# Altium PCB UKU205m2.PcbDoc (part 1 of 3)
Units mm, origin at the board's own origin, x right, y up, seen from the top; angles counter-clockwise.
Board outline 374.65 x 264.35 mm, 2 copper layers (Top Layer, Bottom Layer); 252 components, 433 nets, 925 pads, 929 vias.
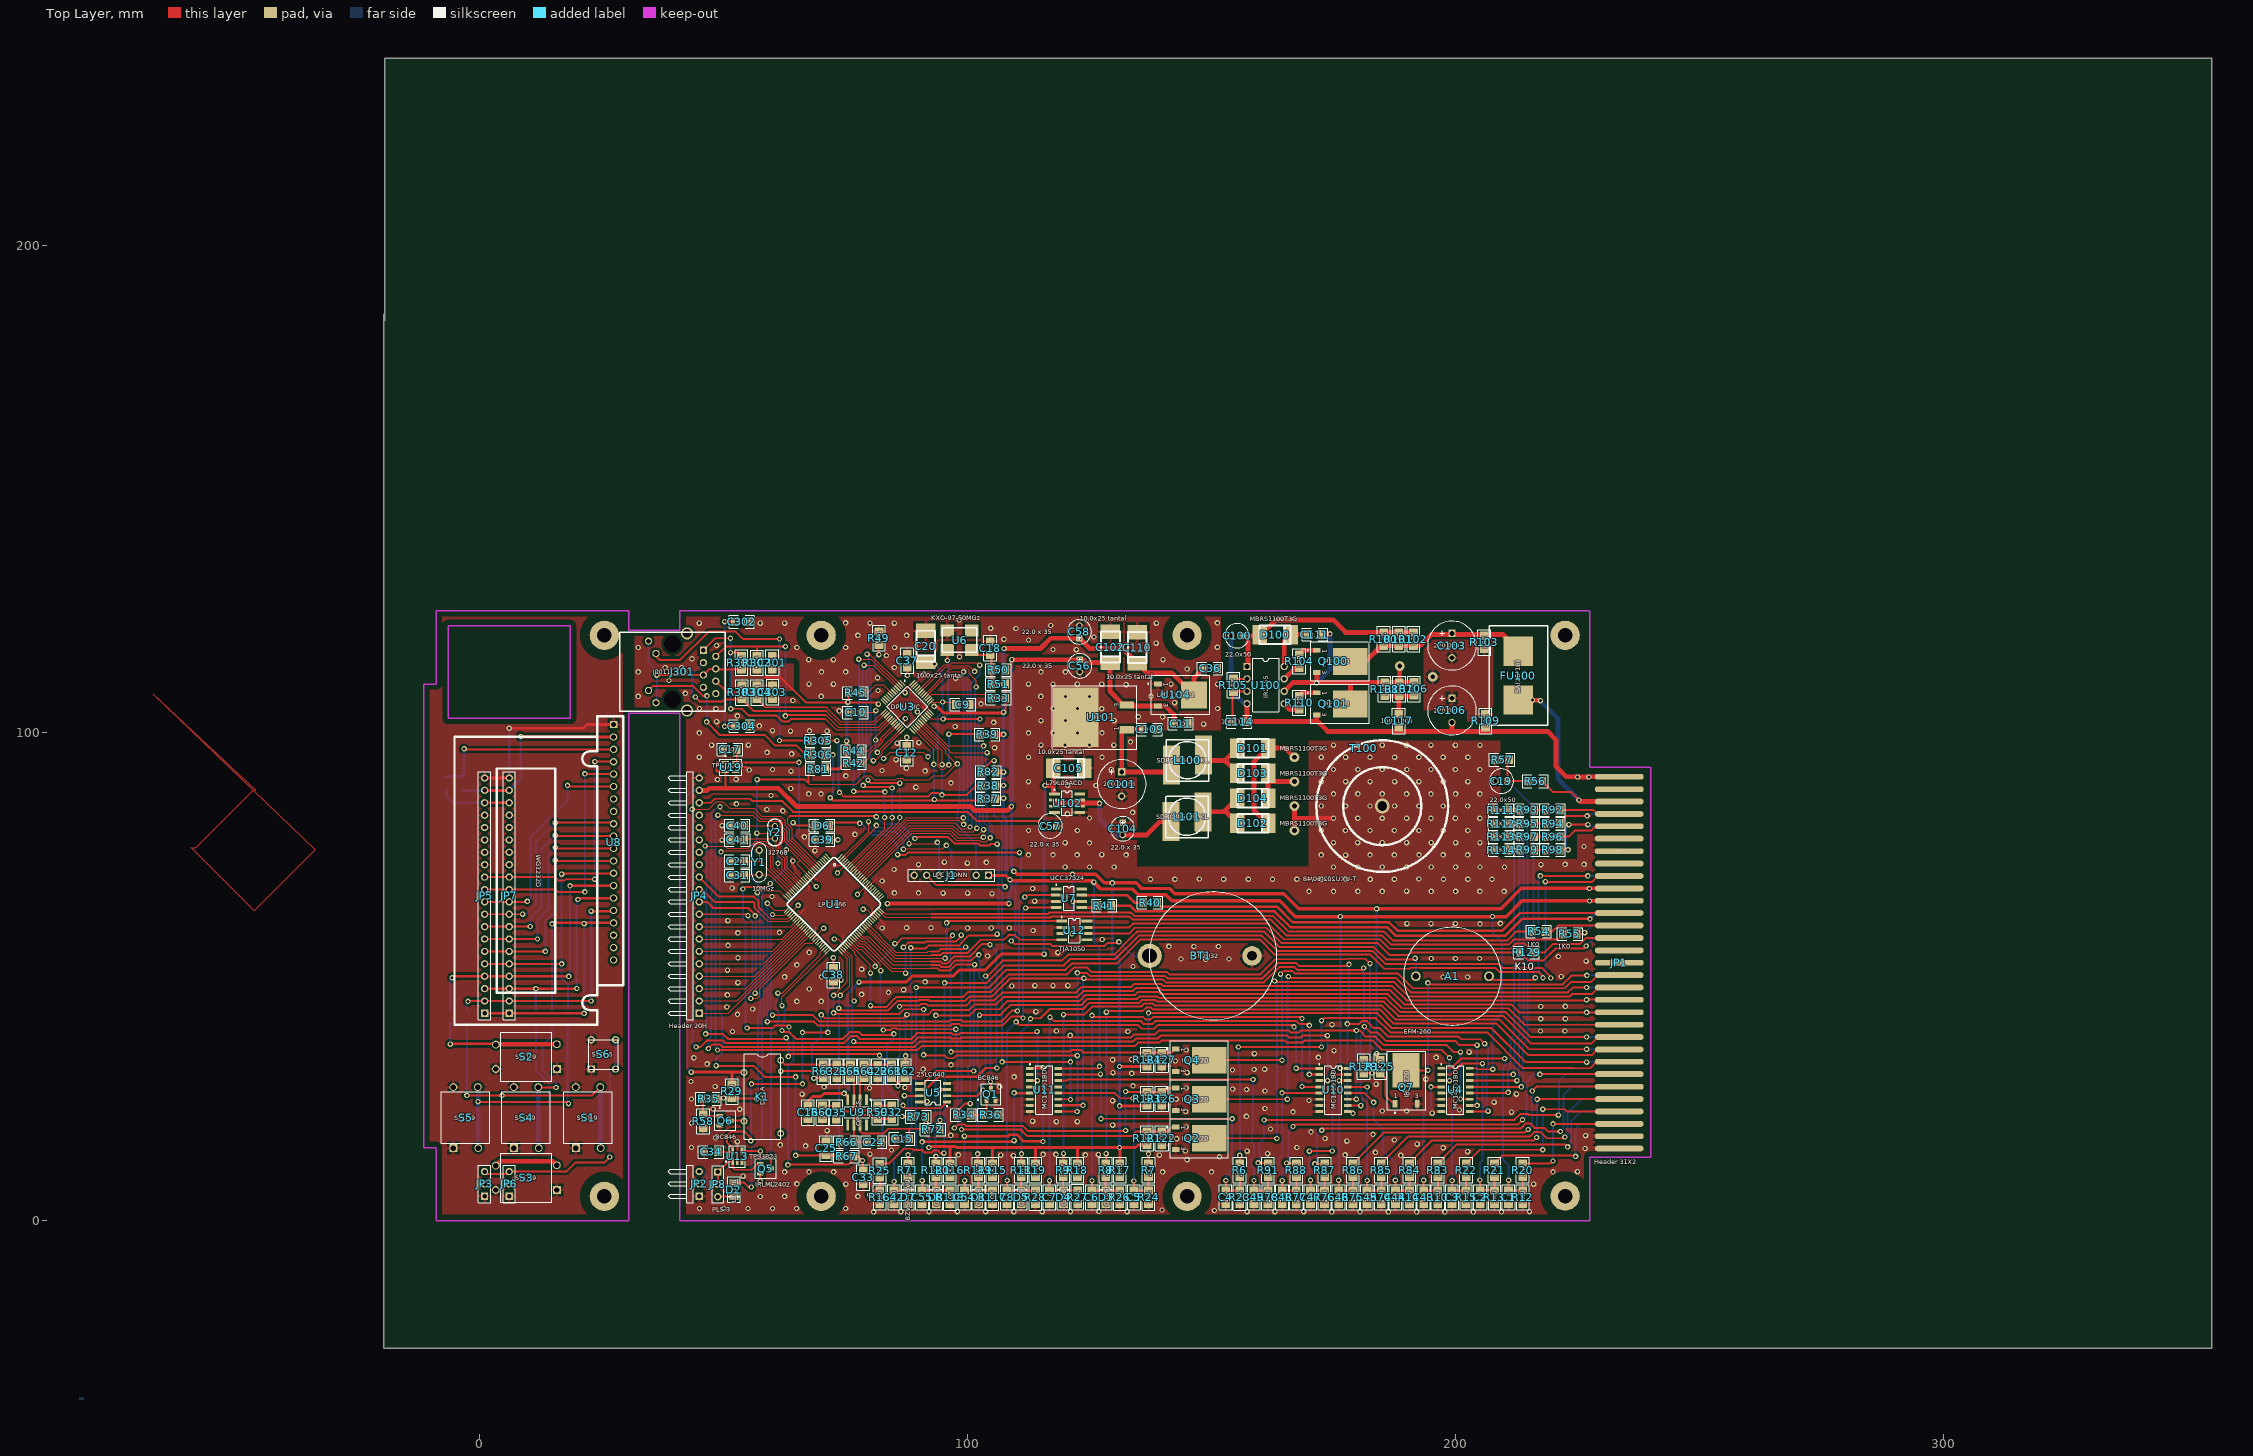
[diagram p0: Top Layer view]
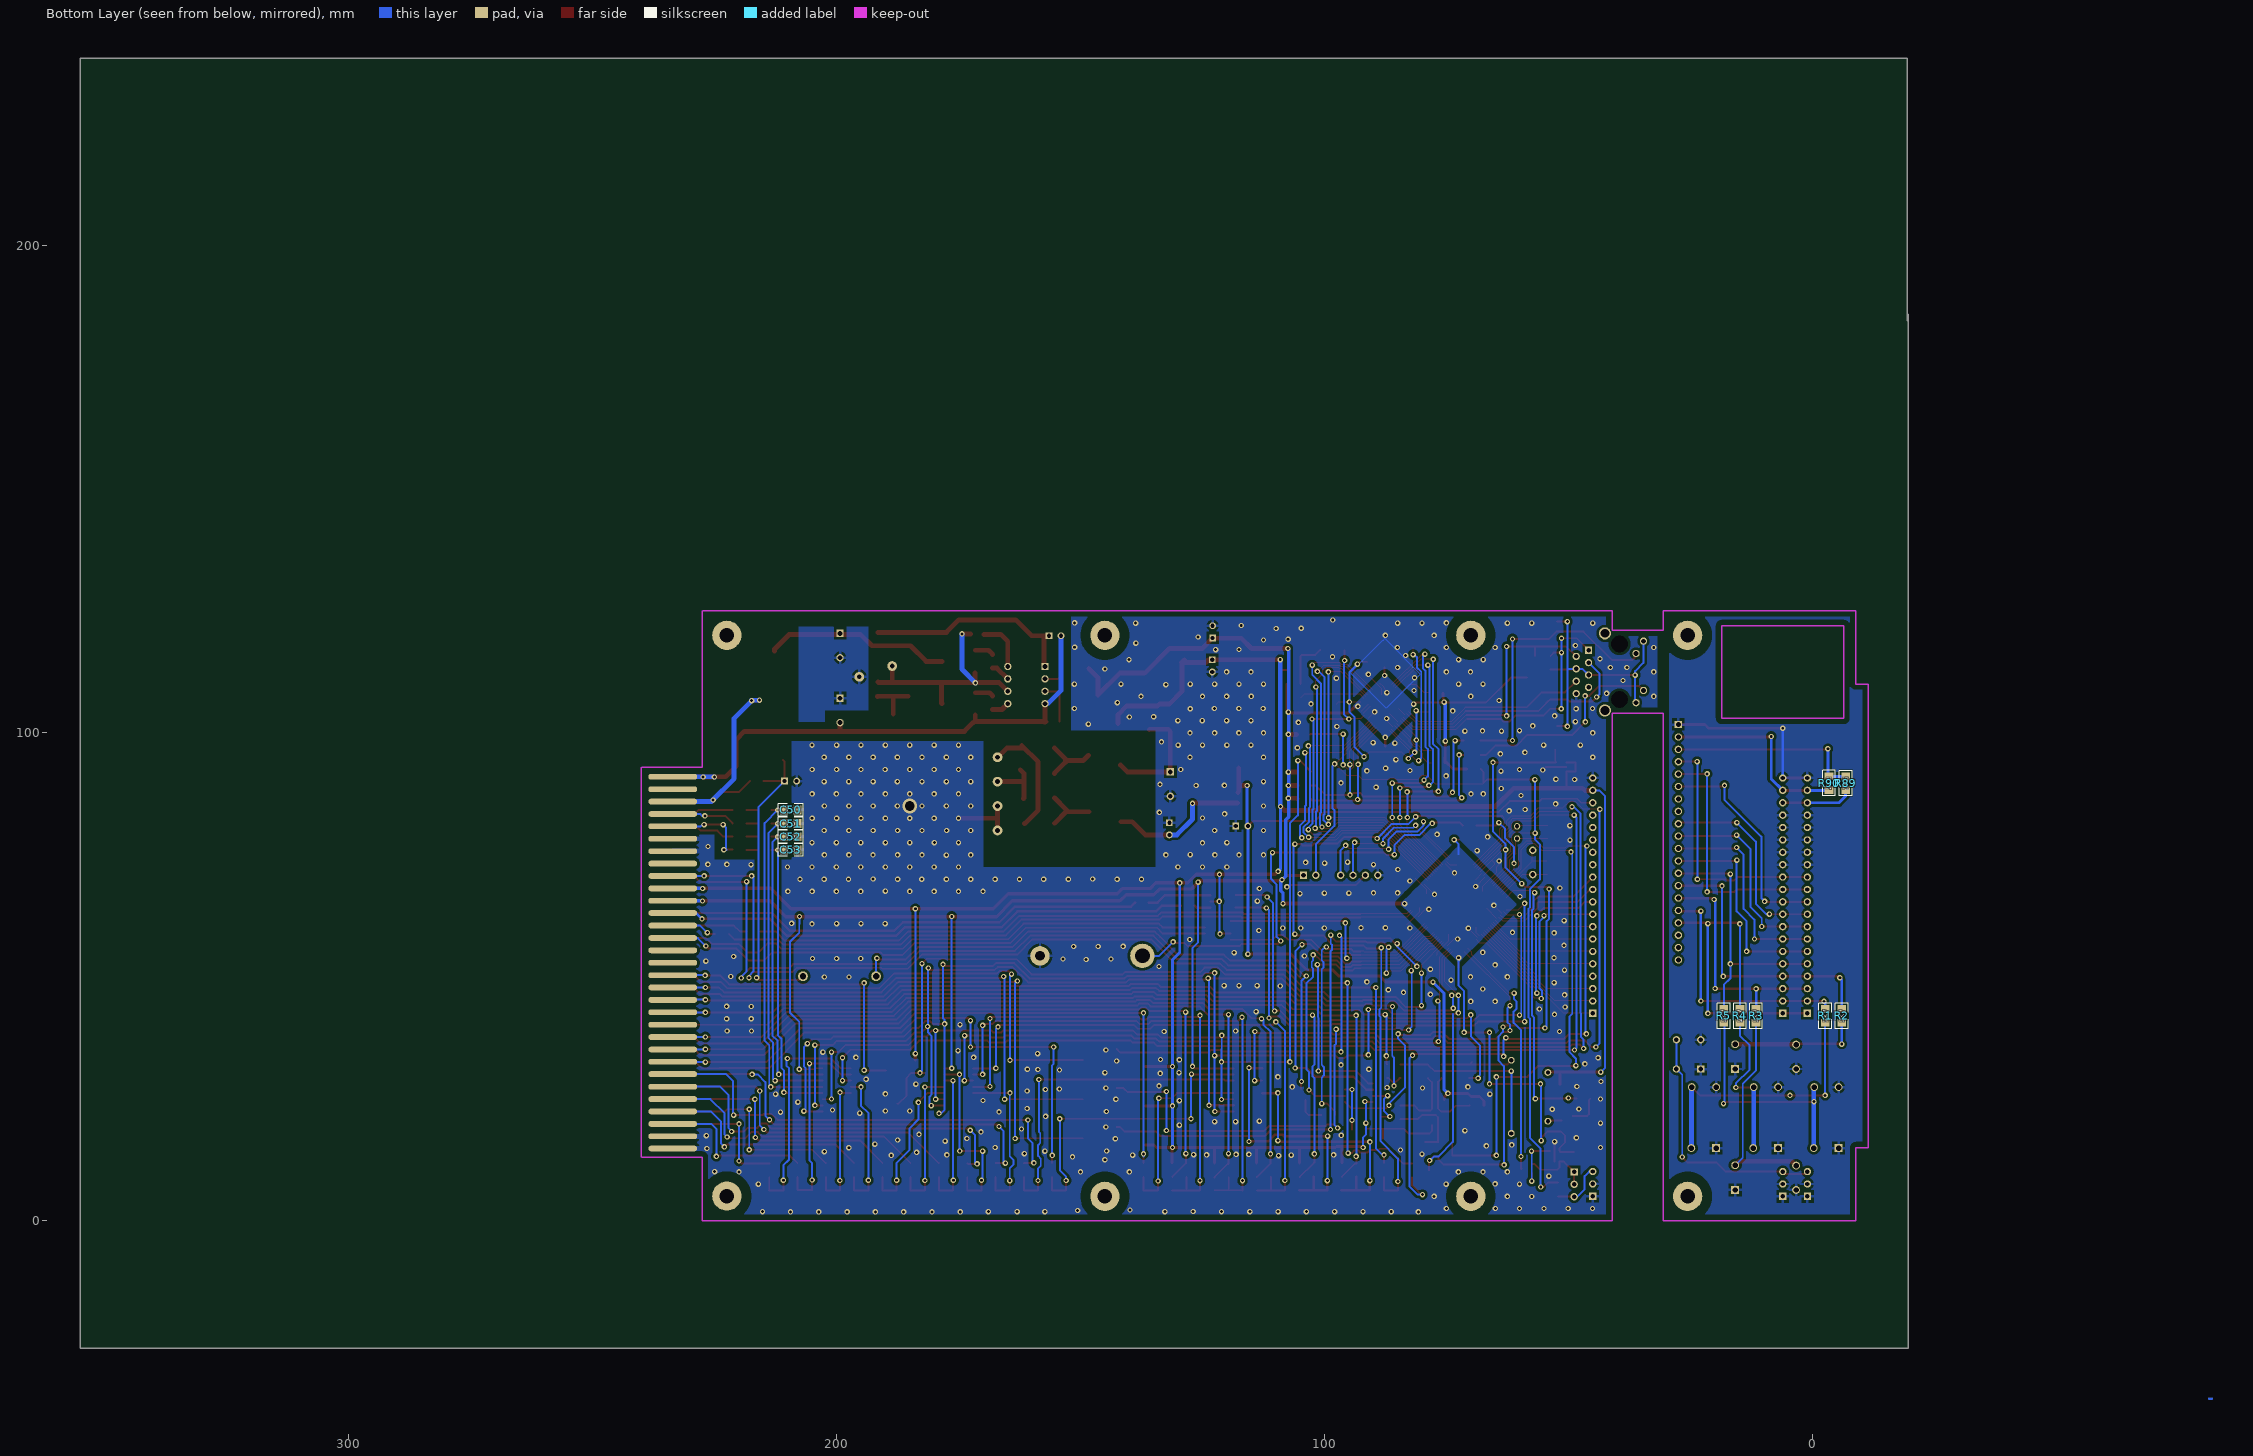
[diagram p1: Bottom Layer view, seen from below]

## Layer stack, top to bottom
Top Layer: signal copper 0.0356
Dielectric: dielectric 0.32, FR-4, Dk 4.8
Bottom Layer: signal copper 0.0356

## Board outline
-19.65,185.8 -19.65,-26.1 355,-26.1 355,238.25 -19.45,238.25 -19.45,184.45

## Design rules (kind name [scope] priority, off if disabled: settings)
Clearance Clearance_1 [InPoly vs InNet('+5VIZ') Or InNet('-5VIZ')] p1: gap=1
Clearance "Для разъёма" [InComponent(JP1)] p2: gap=0.6
Clearance Poly_Poly [InPoly vs InPoly] p3: gap=1
Clearance Keep_Out [OnLayer('Keep-Out Layer') vs Not InNet('NetJ2_5')] p4: gap=1
Clearance Holes [InPoly vs HasPad('Free-0')  Or HasPad('J2-10')  Or HasPad('J2-11')] p5: gap=2
Clearance Poly [InPoly] p6: gap=0.5
Clearance [All] p7: gap=0.15
Clearance Высоковольтное [InNet('+UOUT') or
InNet('U1') or
InNet('U2') or
InNet('UAKB') or
InNet('-UOUT') vs InPoly] p8: gap=0.6
ComponentClearance [All] p1: gap=0.254 collisioncheckmode=0
HoleSize [All] p1: absolutevalues=TRUE maxlimit=5 minlimit=0.025 maxpercent=80.000 minpercent=20.000
PolygonConnect PolygonConnect_2 [InComponent(JP1)] p1: connectstyle=Relief reliefconductorwidth=1 reliefentries=4 polygonreliefangle="90 Angle"
PolygonConnect PolygonConnect_1 [HasPad('JP101-7') or
HasPad('JP6-7') or
HasPad('JP6-9') or
HasPad('JP6-10') Or InComponent(U101)] p2: connectstyle=Direct reliefconductorwidth=0.254 reliefentries=4 polygonreliefangle="90 Angle"
PolygonConnect [All] p3: connectstyle=Relief reliefconductorwidth=0.5 reliefentries=4 polygonreliefangle="90 Angle"
RoutingLayers [All] p1: top layer=Horizontal bottom layer=Vertical
RoutingVias [All] p1: holewidth=0.6 width=1.1 viastyle="Through Hole" minholewidth=0.6 minwidth=1.1 maxholewidth=0.7 maxwidth=1.2
SolderMaskExpansion [All] p1: expansion=0.102
TestPointUsage [All] p1: valid=0 allowmultiple=FALSE
Testpoint [All] p1: side=15 testpointundercomponent=TRUE minsize=1.016 maxsize=2.54 preferedsize=1.524 minholesize=0 maxholesize=1.016 preferedholesize=0.813 testpointgrid=0.025 style=1023 order=1234567890
Width [All] p1: maxlimit=2 minlimit=0.2 preferedwidth=0.254 toplayer_prefwidth=0.5 bottomlayer_prefwidth=0.4 minimp=50.000000 maximp=50.000000 favimp=50.000000
15 further rules are at their usual default settings.

## Classes and differential pairs
component class ANALOG_: C1 C2 C3 C4 C5 C6 C7 C8 C42 C43 C44 C45 C46 C47 C48 C49 C50 C51 C52 C53 C54 C55 D1 D3 D4 D5 D7 D8 Q2 Q3 Q4 Q7 R6 R7 R8 R9 R10 R11 R12 R13 R14 R15 R16 R17 R18 R19 R20 R21 R22 R23 R24 R25 R26 R27 R28 R71 R74 R75 R76 R77 R78 R83 R84 R85 R86 R87 R88 R91 R92 R93 R94 R95 R96 R97 R98 R99 R111 R112 R113 R114 R115 R116 R117 R118 R119 R120 R121 R122 R123 R124 R125 R126 R127 R128 U4 U10 U11
component class RS232: R72 R73 U5
component class FACE: JP3 JP5 JP6 JP7 R1 R2 R3 R4 R5 R89 R90 S1 S2 S3 S4 S5 S6 TX0 U8
component class cpu_board: A1 C15 C16 C17 C19 C21 C22 C23 C24 C25 C31 C32 C33 C34 C35 C37 C38 C39 C40 C41 D2 J1 JP1 JP2 JP4 JP8 K1 Q1 Q5 Q6 R29 R34 R35 R36 R40 R41 R54 R55 R56 R57 R58 R59 R60 R61 R62 R63 R64 R65 R66 R67 R81 R82 R129 U1 U7 U9 U12 U13 U19 Y1 Y2
component class POWER: BT1 C11 C13 C36 C56 C57 C58 C100 C101 C102 C103 C104 C105 C106 C109 C110 C111 C114 C117 D6 D100 D101 D102 D103 D104 FU100 L100 L101 Q100 Q101 R100 R101 R102 R103 R104 R105 R106 R107 R108 R109 R110 T100 U100 U101 U102 U104
component class ETHERNET: C9 C10 C12 C18 C20 C301 C302 C303 C304 J301 R33 R37 R38 R39 R42 R44 R45 R49 R50 R51 R301 R302 R303 R304 R305 R306 U3 U6

## Components (designator, comment, footprint, x,y, rotation, side; value= is the part's Value field where it differs from the comment)
A1 "EFM-260" Pjezo15 194.4,50.1 r0 top
BT1 "CR2032" BAT_SUPP 150.3,54.3 r90 top
C1 "1.0" C3216-1206#1 210.9,4.8 r270 top
C2 "1.0" C3216-1206#1 205.1,4.8 r270 top
C3 "1.0" C3216-1206#1 199.3,4.8 r270 top
C4 "1.0" C3216-1206#1 152.9,4.8 r270 top
C5 "1.0" C3216-1206#1 134.1,4.8 r270 top
C6 "1.0" C3216-1206#2 125.5,4.8 r270 top
C7 "1.0" C3216-1206#2 116.8,4.8 r270 top
C8 "1.0" _1206#1 108.1,4.8 r270 top
C9 "0.1" C3216-1206#1 99.05,105.8 r0 top
C10 "0.1" C3216-1206#1 77.05,104.2 r180 top
C11 "1.0" C3216-1206#3 143.7,101.9 r180 top
C12 "0.1" _1206#2 87.55,95.9 r270 top
C15 "1.0" C3216-1206#1 86.6,16.8 r0 top
C16 "1.0" C3216-1206#1 67.3,22.2 r90 top
C17 "1.0" _1206#2 51.3,96.6 r0 top
C18 "0.1" _1206#2 104.65,117.4 r90 top
C19 "22.0x50" el3 210.7,90.1 r180 top
C20 "10.0x25 tantal" CAP_EL_6_3#1 91.45,114.6 r90 top
C21 "10" _1206#2 52.8,73.7 r0 top
C22 "1.0" _1206#2 81.6,30.6 r90 top
C23 "1.0" _1206#2 73.2,30.6 r270 top
C24 "1.0" _1206#2 80.8,16.1 r180 top
C25 "1.0" _1206#2 71,14.8 r270 top
C31 "10" _1206#2 52.8,70.8 r0 top
C32 "0.1" _1206#2 84.45,22.25 r270 top
C33 "1.0" _1206#2 78.6,8.9 r90 top
C34 "1.0" _1206#1 47.4,14.1 r180 top
C35 "0.1" _1206#2 73.1,22.15 r270 top
C36 "0.1" C3216-1206#3 149.7,113.2 r180 top
C37 "1.0" _1206#2 87.65,114.8 r270 top
C38 "1.0" _1206#2 72.5,50.4 r90 top
C39 "1.0" _1206#2 70.2,78.1 r0 top
C40 "33" _1206#2 52.8,81 r0 top
C41 "33" _1206#2 52.8,78.05 r0 top
C42 "1n0" _1206#2 84.9,4.8 r270 top
C43 "1.0" C3216-1206#3 193.5,4.8 r270 top
C44 "1.0" C3216-1206#3 187.7,4.8 r270 top
C45 "1.0" C3216-1206#3 181.9,4.8 r270 top
C46 "1.0" C3216-1206#3 176.1,4.8 r270 top
C47 "1.0" C3216-1206#3 170.3,4.8 r270 top
C48 "1.0" C3216-1206#3 164.5,4.8 r270 top
C49 "1.0" C3216-1206#3 158.7,4.8 r270 top
C50 "1.0" C3216-1206#3 209.4,84.2 r180 bottom
C51 "1.0" C3216-1206#3 209.4,81.4 r180 bottom
C52 "1.0" C3216-1206#3 209.4,78.7 r180 bottom
C53 "1.0" C3216-1206#3 209.4,76 r180 bottom
C54 "1.0" _1206#1 99.4,4.8 r270 top
C55 "1.0" _1206#1 90.7,4.8 r270 top
C56 "22.0 x 35" el3 123,115 r270 top
C57 "22.0 x 35" el3 118.2,80.9 r180 top
C58 "22.0 x 35" el3 122.899,119.45 r90 top
C100 "22.0x50" el3 156.5,119.9 r180 top
C101 "220.0x25" el5 131.6,87 r90 top
C102 "10.0x25 tantal" CAP_EL_6_3#1 129.3,114.4 r90 top
C103 "220.0x63" el5 199.293,115.4 r90 top
C104 "22.0 x 35" el3 131.8,81.6 r270 top
C105 "10.0x25 tantal" CAP_EL_6_3#1 123.9,92.8 r180 top
C106 "220.0x63" el5 199.293,102.1 r90 top
C109 "0.1" C3216-1206#1 137.3,100.7 r180 top
C110 "10.0x25 tantal" CAP_EL_6_3#2 134.8,114.3 r90 top
C111 "0.1" C3216-1206#1 171.2,120.15 r0 top
C114 "1n0x1000" _1206#2 155.7,102.3 r0 top
C117 "1n0x1000" _1206#2 188.4,102.45 r270 top
C301 "0.1" C3216-1206#1 59.95,114.4 r270 top
C302 "0.1" C3216-1206#1 53.7,122.8 r180 top
C303 "0.1" C3216-1206#1 60,108.35 r90 top
C304 "0.1" C3216-1206#1 53.7,101.4 r180 top
D1 "C5V6" _1206d#1 102.3,4.8 r270 top
D2 "LL4148" _1206d#2 52.1,6.4 r90 top
D3 "C5V6" _1206d#1 128.4,4.8 r270 top
D4 "C5V6" _1206d#1 119.7,4.8 r270 top
D5 "C5V6" _1206d#1 111,4.8 r270 top
D6 "LL4148" _1206d#2 70.2,81 r0 top
D7 "BZV55-C3V9" _1206d#2 87.8,4.8 r270 top
D8 "C5V6" _1206d#1 93.6,4.8 r270 top
D100 "MBRS1100T3G" D_6_3 166.2,120.1 r180 top
D101 "MBRS1100T3G" D_6_3 155.318,96.863 r0 top
D102 "MBRS1100T3G" D_6_3 161.65,81.487 r180 top
D103 "MBRS1100T3G" D_6_3 155.318,91.7 r0 top
D104 "MBRS1100T3G" D_6_3 161.65,86.65 r180 top
FU100 "5A(2Б-1В)" FUSE2 212.9,111.75 r90 top
J1 "LPC_CONN" HDR1X7 104.3,70.8 r180 top
J301 "J0011D21B" J0011D21B 39.5,112.5 r90 top
JP1 "Header 31X2" sl-62f 233.6,91 r270 top
JP2 "Header 3H" HDR1X3H 45,5 r90 top
JP3 "Header 3" HDR1X3#1 1,5 r90 top
JP4 "Header 20H" HDR1X20H 45,42.5 r90 top
JP5 "Header 20" HDR1X20 1,42.5 r90 top
JP6 "Header 3" HDR1X3#1 6.05,5 r90 top
JP7 "Header 20" HDR1X20 6.05,42.5 r90 top
JP8 "PLS-3" HDR1X3#2 48.8,10 r270 top
K1 "DH1A" kuan 54.2,32.9 r270 top
L100 "SDR0805-390KL" L10x10 140,99.5 r270 top
L101 "SDR0805-390KL" L10x10 139.9,87.9 r270 top
Q1 "BC846" SO-G3#1 104.8,25.9 r0 top
Q2 "IRLR120" SIP-G3/E8#1 146.1,16.9 r270 top
Q3 "IRLR120" SIP-G3/E8#1 146.1,24.9 r270 top
Q4 "IRLR120" SIP-G3/E8#1 146.1,32.9 r270 top
Q5 "IRLML2402" SO-G3#2 58.6,10.7 r270 top
Q6 "BC846" SO-G3#1 50.3,20.5 r270 top
Q7 "IRLR120" SIP-G3/E8#1 189.9,27.4 r0 top
Q100 "IRFR120" SIP-G3/E8#2 175,114.65 r270 top
Q101 "IRFR120" SIP-G3/E8#2 175,105.95 r270 top
R1 "2K7" _1206#2 -2.65,42 r90 bottom
R2 "2K7" _1206#2 -6.05,42 r90 bottom
R3 "2K7" _1206#2 11.516,42 r90 bottom
R4 "2K7" _1206#2 14.824,42 r90 bottom
R5 "2K7" _1206#2 18.132,42 r90 bottom
R6 "2K7" _1206#2 155.8,10.4 r90 top
R7 "2K7" _1206#2 137.1,10.4 r90 top
R8 "2K7" _1206#1 128.3,10.4 r90 top
R9 "2K7" _1206#1 119.6,10.4 r90 top
R10 "1K0" _1206#1 196.4,4.8 r270 top
R11 "2K7" _1206#1 111,10.4 r90 top
R12 "1K0" _1206#2 213.8,4.8 r270 top
R13 "1K0" _1206#2 208,4.8 r270 top
R14 "1K0" _1206#1 190.6,4.8 r270 top
R15 "1K0" _1206#2 202.2,4.8 r270 top
R16 "1K0" _1206#2 82,4.8 r270 top
R17 "1K0" _1206#1 131.2,10.4 r90 top
R18 "1K0" _1206#1 122.5,10.4 r90 top
R19 "1K0" _1206#1 113.9,10.4 r90 top
R20 "33K" _1206#2 213.8,10.4 r90 top
R21 "33K" _1206#2 208,10.4 r90 top
R22 "33K" _1206#2 202.2,10.4 r90 top
R23 "10K" _1206#2 155.8,4.8 r90 top
R24 "10K" _1206#2 137.1,4.8 r90 top
R25 "10K" _1206#2 82,10.3 r90 top
R26 "10K" _1206#1 131.2,4.8 r90 top
R27 "10K" _1206#1 122.55,4.85 r90 top
R28 "10K" _1206#1 113.9,4.8 r90 top
R29 "1K0" _1206#2 51.7,26.5 r270 top
R33 "2K2" _1206#2 106.35,107.1 r0 top
R34 "1K0" _1206#2 99.2,21.7 r0 top
R35 "1K0" _1206#2 46.9,25 r180 top
R36 "10K" _1206#2 104.7,21.7 r180 top
R37 "2K2" _1206#2 104.25,86.5 r0 top
R38 "2K2" _1206#2 104.25,89.2 r0 top
R39 "2K2" _1206#2 104.05,99.7 r0 top
R40 "K10" _1206#2 137.4,65.2 r180 top
R41 "K10" _1206#2 128,64.6 r180 top
R42 "2K2" _1206#2 76.65,93.8 r180 top
R44 "2K2" _1206#2 76.65,96.3 r180 top
R45 "10K" _1206#2 77.05,108.2 r180 top
R49 "5K1" _1206#2 81.85,119.4 r270 top
R50 "1R" _1206#2 106.35,112.9 r0 top
R51 "1R" _1206#2 106.35,110 r0 top
R54 "1K0" _1206#2 217.1,59.3 r0 top
R55 "1K0" _1206#2 223.5,58.8 r0 top
R56 "10K" _1206#2 216.4,90.1 r0 top
R57 "2K7" _1206#2 209.6,94.5 r0 top
R58 "10K" _1206#2 45.8,20.4 r90 top
R59 "20K" _1206#2 81.6,22.25 r90 top
R60 "20K" _1206#2 70.25,22.2 r90 top
R61 "10R" _1206#2 84.4,30.6 r270 top
R62 "10R" _1206#2 87.2,30.6 r270 top
R63 "10R" _1206#2 70.4,30.6 r270 top
R64 "2K0" _1206#2 78.8,30.6 r270 top
R65 "2K0" _1206#2 76,30.6 r270 top
R66 "20K" _1206#2 75.2,16.1 r180 top
R67 "20K" _1206#2 75.2,13.2 r0 top
R71 "2K7" _1206#2 87.8,10.4 r90 top
R72 "2K7" _1206#1 92.9,18.7 r180 top
R73 "2K7" _1206#1 89.9,21.3 r180 top
R74 "1K0" _1206#1 184.8,4.8 r270 top
R75 "1K0" _1206#1 179,4.8 r270 top
R76 "1K0" _1206#1 173.2,4.8 r270 top
R77 "1K0" _1206#1 167.4,4.8 r270 top
R78 "1K0" _1206#1 161.6,4.8 r270 top
R81 "10K" _1206#2 69.4,92.6 r0 top
R82 "10K" _1206#2 104.25,92 r180 top
R83 "33K" _1206#1 196.4,10.4 r90 top
R84 "33K" _1206#1 190.6,10.4 r90 top
R85 "33K" _1206#1 184.8,10.4 r90 top
R86 "33K" _1206#1 179,10.4 r90 top
R87 "33K" _1206#1 173.2,10.4 r90 top
R88 "33K" _1206#1 167.4,10.4 r90 top
R89 "7K5" _1206#2 -6.85,89.7 r90 bottom
R90 "2K2" _1206#2 -3.45,89.7 r270 bottom
R91 "33K" _1206#1 161.6,10.4 r90 top
R92 "6K2" _1206#1 219.9,84.2 r180 top
R93 "6K2" _1206#1 214.7,84.2 r180 top
R94 "6K2" _1206#1 219.9,81.4 r180 top
R95 "6K2" _1206#1 214.7,81.4 r180 top
R96 "6K2" _1206#1 219.9,78.7 r180 top
R97 "6K2" _1206#1 214.7,78.7 r180 top
R98 "6K2" _1206#1 219.9,76 r180 top
R99 "6K2" _1206#1 214.7,76 r180 top
R100 "33K" _1206#2 185.299,119.25 r90 top
R101 "33K" _1206#2 188.4,119.25 r90 top
R102 "33K" _1206#2 191.4,119.25 r90 top
R103 "20K" _1206#2 205.9,118.55 r270 top
R104 "22R" _1206#2 168,114.7 r90 top
R105 "15K" _1206#2 154.5,109.8 r90 top
R106 "30R" _1206#2 191.501,109 r270 top
R107 "30R" _1206#2 188.5,108.95 r270 top
R108 "30R" _1206#2 185.5,108.95 r270 top
R109 "20K" _1206#2 206.2,102.45 r270 top
R110 "22R" _1206#2 168,106.2 r90 top
R111 "1K0" _1206#1 209.4,84.2 r0 top
R112 "1K0" _1206#1 209.4,81.4 r0 top
R113 "1K0" _1206#1 209.4,78.7 r0 top
R114 "1K0" _1206#1 209.4,76 r0 top
R115 "1K0" _1206#1 105.1,10.4 r90 top
R116 "1K0" _1206#1 96.4,10.4 r90 top
R117 "10K" _1206#1 105.1,4.8 r90 top
R118 "10K" _1206#1 96.4,4.8 r90 top
R119 "2K7" _1206#1 102.2,10.4 r90 top
R120 "2K7" _1206#1 93.5,10.4 r90 top
R121 "1K0" _1206#1 136.8,16.9 r270 top
R122 "10K" _1206#1 139.8,16.9 r270 top
R123 "1K0" _1206#1 136.8,25 r270 top
R124 "1K0" _1206#1 136.8,33 r270 top
R125 "1K0" _1206#1 184.6,31.6 r90 top
R126 "10K" _1206#1 139.8,25 r270 top
R127 "10K" _1206#1 139.8,33 r270 top